# Altium PCB pcb-sam-carrier.PcbDoc (part 1 of 3) (continued)
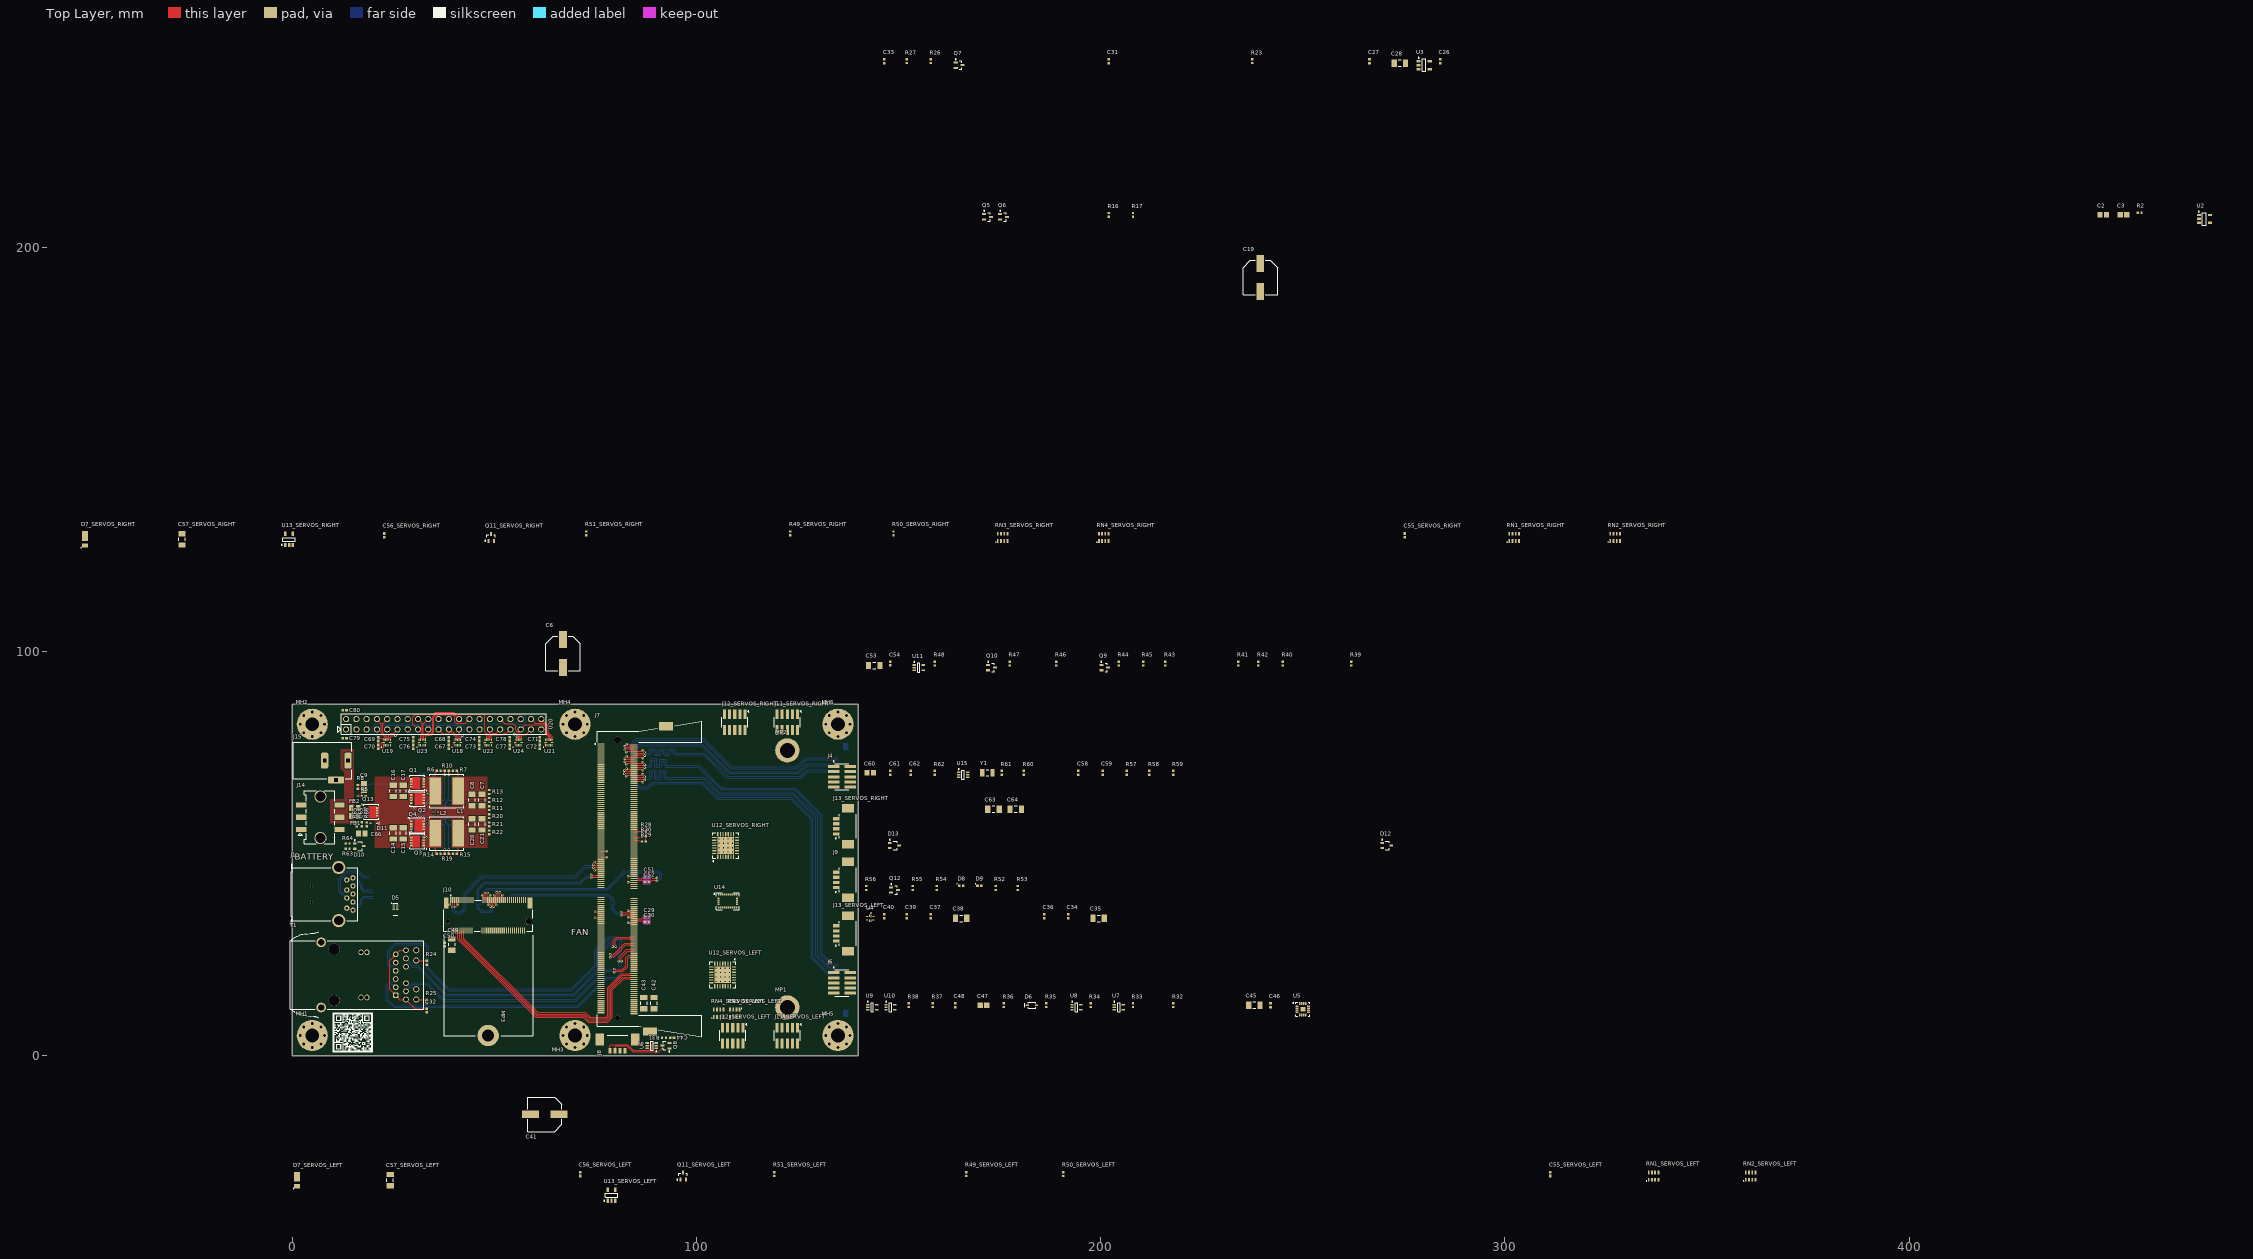
[diagram p0: Top Layer view]
## Classes and differential pairs
net class CSI0: CSI0_CLK_N CSI0_CLK_P CSI0_D0_N CSI0_D0_P CSI0_D1_N CSI0_D1_P
net class UART1: UART1.CTS UART1.RTS UART1.RXD UART1.TXD
net class UART1_3V3: UART1_3V3.CTS UART1_3V3.RTS UART1_3V3.RXD UART1_3V3.TXD
net class SPI1: SPI1.MISO SPI1.MOSI SPI1.SCK
net class SPI0: SPI0.MISO SPI0.MOSI SPI0.SCK
net class I2S0: I2S0.DIN I2S0.DOUT I2S0.FS I2S0.SCLK
net class I2C1: I2C1.SCL I2C1.SDA
component class HEADER: C67 C68 C69 C70 C71 C72 C73 C74 C75 C76 C77 C78 C79 C80 D12 D13 U18 U19 U20 U21 U22 U23 U24
net class ID_I2C: ID_I2C.SCL ID_I2C.SDA
component class IMU: C58 C59 C60 C61 C62 R57 R58 R59 R60 R61 R62 U14 U15 Y1
component class DCIN: C63 C64 C65 C66 D10 D11 FB1 FB2 J14 J15 Q13 R63 R64 R65 R66
component class CARRIER: D8 D9 Q12 R52 R53 R54 R55 R56
channel class servos: SERVOS_LEFT SERVOS_RIGHT
net class USB: USB0_N USB0_P USB1.D_N USB1.D_P USB2_N USB2_P
net class USBSS: SS_RX_N SS_RX_P SS_TX_N SS_TX_P
net class USB1: USB1.D_N USB1.D_P
net class PCIE: PCIE_CLK_N PCIE_CLK_P PCIE_RX_N PCIE_RX_P PCIE_TX0C_N PCIE_TX0C_P PCIE_TX_N PCIE_TX_P
net class GBE: GBE_MDI0_N GBE_MDI0_P GBE_MDI1_N GBE_MDI1_P GBE_MDI2_N GBE_MDI2_P GBE_MDI3_N GBE_MDI3_P
net class CSI2: CSI2_CLK_N CSI2_CLK_P CSI2_D0_N CSI2_D0_P CSI2_D1_N CSI2_D1_P
net class 50OHM: CAM0_MCLK CAM0_PWDN CAM1_MCLK CAM1_PWDN CAM_SCL CAM_SDA FAN_PWM I2C1.SCL I2C1.SDA I2C2_SCL I2C2_SDA I2S0.DIN I2S0.DOUT I2S0.FS I2S0.SCLK I2S1_DIN I2S1_DOUT I2S1_FS I2S1_SCLK ID_I2C.SCL ID_I2C.SDA NetJ7_210 SPI0.MISO SPI0.MOSI SPI0.SCK SPI0_CS0 SPI0_CS1 SPI1.MISO SPI1.MOSI SPI1.SCK SPI1_CS0 SPI1_CS1 UART0_CTS UART0_RTS UART0_RXD UART0_TXD UART1.CTS UART1.RTS UART1.RXD UART1.TXD UART2_RXD UART2_TXD
component class SERVOS_RIGHT: C55_SERVOS_RIGHT C56_SERVOS_RIGHT C57_SERVOS_RIGHT D7_SERVOS_RIGHT J11_SERVOS_RIGHT J12_SERVOS_RIGHT J13_SERVOS_RIGHT Q11_SERVOS_RIGHT R49_SERVOS_RIGHT R50_SERVOS_RIGHT R51_SERVOS_RIGHT RN1_SERVOS_RIGHT RN2_SERVOS_RIGHT RN3_SERVOS_RIGHT RN4_SERVOS_RIGHT U12_SERVOS_RIGHT U13_SERVOS_RIGHT
component class SERVOS_LEFT: C55_SERVOS_LEFT C56_SERVOS_LEFT C57_SERVOS_LEFT D7_SERVOS_LEFT J11_SERVOS_LEFT J12_SERVOS_LEFT J13_SERVOS_LEFT Q11_SERVOS_LEFT R49_SERVOS_LEFT R50_SERVOS_LEFT R51_SERVOS_LEFT RN1_SERVOS_LEFT RN2_SERVOS_LEFT RN3_SERVOS_LEFT RN4_SERVOS_LEFT U12_SERVOS_LEFT U13_SERVOS_LEFT
component class REAR_IO: C26 C27 C28 C29 C30 C31 C32 C33 D3 D4 D5 J1 J2 Q7 R23 R24 R25 R26 R27 T1 U3
component class POWER: C1 C2 C3 C4 C5 C6 C7 C8 C9 C10 C11 C12 C13 C14 C15 C16 C17 C18 C19 C20 C21 C22 C23 C24 C25 D1 D2 L1 L2 Q1 Q2 Q3 Q4 Q5 Q6 R1 R2 R3 R4 R5 R6 R7 R8 R9 R10 R11 R12 R13 R14 R15 R16 R17 R18 R19 R20 R21 R22 U1 U2
component class NX: C41 C42 C43 J7 MP1 MP2 R28 R29 R30
component class MECHANICAL: MH1 MH2 MH3 MH4 MH5 MH6
component class M2_KEY_E: C49 C50 C51 C52 C53 C54 J10 MP3 Q9 Q10 R39 R40 R41 R42 R43 R44 R45 R46 R47 R48 U11
component class CAMERAS: C34 C35 C36 C37 C38 C39 C40 J3 J4 J5 J6 U4
component class AUX_IO: C44 C45 C46 C47 C48 D6 J8 J9 Q8 R31 R32 R33 R34 R35 R36 R37 R38 U5 U6 U7 U8 U9 U10
differential pair USB2: +USB2_P -USB2_N
differential pair USB1.D: +USB1.D_P -USB1.D_N
differential pair USB0: +USB0_P -USB0_N
differential pair SS_TX: +SS_TX_P -SS_TX_N
differential pair SS_RX: +SS_RX_P -SS_RX_N
differential pair PCIE_TX: +PCIE_TX_P -PCIE_TX_N
differential pair PCIE_TX0C: +PCIE_TX0C_P -PCIE_TX0C_N
differential pair PCIE_RX: +PCIE_RX_P -PCIE_RX_N
differential pair PCIE_CLK: +PCIE_CLK_P -PCIE_CLK_N
differential pair HOST_TXC: +HOST_TXC_P -HOST_TXC_N
differential pair GBE_MDI3: +GBE_MDI3_P -GBE_MDI3_N
differential pair GBE_MDI2: +GBE_MDI2_P -GBE_MDI2_N
differential pair GBE_MDI1: +GBE_MDI1_P -GBE_MDI1_N
differential pair GBE_MDI0: +GBE_MDI0_P -GBE_MDI0_N
differential pair CSI2_D1: +CSI2_D1_P -CSI2_D1_N
differential pair CSI2_D0: +CSI2_D0_P -CSI2_D0_N
differential pair CSI2_CLK: +CSI2_CLK_P -CSI2_CLK_N
differential pair CSI0_D1: +CSI0_D1_P -CSI0_D1_N
differential pair CSI0_D0: +CSI0_D0_P -CSI0_D0_N
differential pair CSI0_CLK: +CSI0_CLK_P -CSI0_CLK_N

## Components (designator, comment, footprint, x,y, rotation, side; value= is the part's Value field where it differs from the comment)
C1 "cap" CAPC2012X11N 26.5,50.2 r90 bottom value=1u
C2 "cap" CAPC2012X11N 447.999,207.999 r0 top value=1u
C3 "cap" CAPC2012X11N 452.999,207.999 r0 top value=1u
C4 "cap" CAPC2012X11N 23.75,48.2 r90 bottom value=4u7
C5 "cap" CAPC1005X06N 33.75,64 r180 bottom value=100n
C6 "100uF, 20V" WCAP-PSHP_D8H8.7 67,99.5 r90 top
C7 "cap" CAPC3216X14N 47,63.25 r90 top value=22u
C8 "cap" CAPC3216X14N 44.5,63.25 r90 top value=22u
C9 "cap" CAPC2012X11N 17.75,66.5 r270 top value=1u
C10 "cap" CAPC1005X06N 38.25,64.25 r0 bottom value=100n
C11 "cap" CAPC1005X06N 40.25,63.25 r180 bottom value=100n
C12 "cap" CAPC1005X06N 40.25,61.25 r180 bottom value=47p
C13 "cap" CAPC1005X06N 40.25,62.25 r0 bottom value=5n6
C14 "cap" CAPC3216X14N 25,55 r270 top value=22u
C15 "cap" CAPC3216X14N 27.5,55 r270 top value=22u
C16 "cap" CAPC3216X14N 25,65.5 r90 top value=22u
C17 "cap" CAPC3216X14N 27.5,65.5 r90 top value=22u
C18 "cap" CAPC1005X06N 33.75,56.5 r180 bottom value=100n
C19 "100uF, 20V" WCAP-PSHP_D8H8.7 239.5,192.5 r90 top
C20 "cap" CAPC3216X14N 44.5,57.25 r270 top value=22u
C21 "cap" CAPC3216X14N 47,57.25 r270 top value=22u
C22 "cap" CAPC1005X06N 38.25,56.25 r0 bottom value=100n
C23 "cap" CAPC1005X06N 40.25,59.25 r180 bottom value=100p
C24 "cap" CAPC1005X06N 40.25,57.25 r180 bottom value=100n
C25 "cap" CAPC1005X06N 40.25,58.25 r0 bottom value=1n
C26 "cap" CAPC1005X06N 283.999,245.999 r90 top value=100n
C27 "cap" CAPC1005X06N 266.499,245.999 r90 top value=100n
C28 "cap" CAPC3216X14N 273.999,245.499 r0 top value=10u
C29 "cap" CAPC1005X06N 87.75,34.25 r180 top value=100n
C30 "cap" CAPC1005X06N 87.75,33 r180 top value=100n
C31 "cap" CAPC1005X06N 201.999,245.999 r90 top value=100n
C32 "cap" CAPC1005X06N 33.3,11.2 r90 top value=10n
C33 "cap" CAPC1005X06N 146.5,245.999 r90 top value=100n
C34 "cap" CAPC1005X06N 191.999,34.5 r90 top value=100n
C35 "cap" CAPC3216X14N 199.499,34 r0 top value=22u
C36 "cap" CAPC1005X06N 185.999,34.5 r90 top value=100n
C37 "cap" CAPC1005X06N 158,34.5 r90 top value=100n
C38 "cap" CAPC3216X14N 165.5,34 r0 top value=22u
C39 "cap" CAPC1005X06N 152,34.5 r90 top value=100n
C40 "cap" CAPC1005X06N 146.5,34.5 r90 top value=100n
C41 "560uF, 6.3V" WCAP-PSHP_D8H8.7 62.5,-14.5 r0 top
C42 "cap" CAPC3216X14N 89.5,13 r270 top value=100u
C43 "cap" CAPC3216X14N 87,13 r270 top value=100u
C44 "cap" CAPC1005X06N 94,4.5 r0 top value=100n
C45 "cap" CAPC3216X14N 237.999,12.5 r0 top value=10u
C46 "cap" CAPC1005X06N 241.999,12.5 r90 top value=100n
C47 "cap" CAPC2012X11N 171,12.5 r0 top value=1u
C48 "cap" CAPC1005X06N 164,12.5 r90 top value=100n
C49 "cap" CAPC3216X14N 39.5,27.5 r90 top value=22u
C50 "cap" CAPC1005X06N 37.75,27.5 r90 top value=100n
C51 "cap" CAPC1005X06N 87.75,44.25 r0 top value=100n
C52 "cap" CAPC1005X06N 87.75,43 r0 top value=100n
C53 "cap" CAPC3216X14N 144,96.5 r0 top value=10u
C54 "cap" CAPC1005X06N 148,97 r90 top value=100n
C55_SERVOS_LEFT "cap" CAPC1005X06N 311.25,-29.275 r90 top value=100n (schematic designator C55)
C55_SERVOS_RIGHT "cap" CAPC1005X06N 275.25,128.725 r90 top value=100n (schematic designator C55)
C56_SERVOS_LEFT "cap" CAPC1005X06N 71.25,-29.275 r90 top value=100n (schematic designator C56)
C56_SERVOS_RIGHT "cap" CAPC1005X06N 22.75,128.725 r90 top value=100n (schematic designator C56)
C57_SERVOS_LEFT "cap" CAPC3216X14N 24.25,-30.775 r90 top value=22u (schematic designator C57)
C57_SERVOS_RIGHT "cap" CAPC3216X14N -27.25,127.725 r90 top value=22u (schematic designator C57)
C58 "cap" CAPC1005X06N 194.499,70 r90 top value=100n
C59 "cap" CAPC1005X06N 200.499,70 r90 top value=100n
C60 "cap" CAPC2012X11N 143,70 r0 top value=1u
C61 "cap" CAPC1005X06N 148,70 r90 top value=22p
C62 "cap" CAPC1005X06N 153,70 r90 top value=22p
C63 "cap" CAPC3216X14N 173.5,61 r0 top value=22u
C64 "cap" CAPC3216X14N 179,61 r0 top value=22u
C65 "cap" CAPC1005X06N 17.25,57.25 r90 top value=100n
C66 "cap" CAPC2012X11N 17.25,55 r180 top value=4u7
C67 "cap" CAPC1005X06N 38.7,76.4 r270 top value=100n
C68 "cap" CAPC1005X06N 38.7,78.3 r90 top value=100n
C69 "cap" CAPC1005X06N 21.3,78.3 r90 top value=100n
C70 "cap" CAPC1005X06N 21.3,76.4 r270 top value=100n
C71 "cap" CAPC1005X06N 61.3,78.3 r90 top value=100n
C72 "cap" CAPC1005X06N 61.3,76.4 r270 top value=100n
C73 "cap" CAPC1005X06N 46.3,76.4 r270 top value=100n
C74 "cap" CAPC1005X06N 46.3,78.3 r90 top value=100n
C75 "cap" CAPC1005X06N 30,78.3 r90 top value=100n
C76 "cap" CAPC1005X06N 30,76.4 r270 top value=100n
C77 "cap" CAPC1005X06N 53.8,76.4 r270 top value=100n
C78 "cap" CAPC1005X06N 53.8,78.3 r90 top value=100n
C79 "cap" CAPC1005X06N 13,78.5 r180 top value=100n
C80 "cap" CAPC1005X06N 13,85.5 r0 top value=100n
D1 "BAS140W" SODFL250X110-2N_SOD323 33,65.5 r0 bottom
D2 "BAS140W" SODFL250X110-2N_SOD323 33,55 r0 bottom
D3 "TPD4E02B04DQAR" SON50P100X55-10N_TPD4E02B04 19.5,43.5 r0 bottom
D4 "TPD4E02B04DQAR" SON50P100X55-10N_TPD4E02B04 19.5,40 r0 bottom
D5 "TPD4E02B04DQAR" SON50P100X55-10N_TPD4E02B04 25.582,36.25 r0 top
D6 "BAS140W" SODFL250X110-2N_SOD323 182.999,12.5 r0 top
D7_SERVOS_LEFT "DFLS2100" SODFL370X100-2N_DFLS2100 1.25,-30.775 r90 top (schematic designator D7)
D7_SERVOS_RIGHT "DFLS2100" SODFL370X100-2N_DFLS2100 -51.25,127.725 r90 top (schematic designator D7)
D8 "led" CAPCP1005X06N 165.5,42 r0 top value=GREEN
D9 "led" CAPCP1005X06N 170,42 r0 top value=GREEN
D10 "ESDA25W" SOT65P210X110-3N_SOT323-3L 16.625,51.85 r0 top
D11 "10V" SODFL160X65-2N_SOD523 20.25,57.5 r180 top
D12 "ESDA25W" SOT65P210X110-3N_SOT323-3L 270.749,52 r0 top
D13 "ESDA25W" SOT65P210X110-3N_SOT323-3L 149,52 r0 top
FB1 "ferrite" INDC2012X11N 15.5,59.25 r0 top value=100R
FB2 "ferrite" INDC2012X11N 15.499,61.25 r0 top value=100R
J1 "USB 3.0 Type A Receptacle" 692121030100 8,40 r270 top locked
J2 "Micro USB 2.0 Type B Receptacle" 629105136821 2.325,40 r90 bottom
J3 "54548-2271" MOLX-54548-2271 136,18 r270 bottom
J4 "FTSH-105-01-F-DV-P-TR" SAMTEC_FTSH-105-01-F-DV-P-TR 136,69 r270 top
J5 "54548-2271" MOLX-54548-2271 136,69 r270 bottom
J6 "FTSH-105-01-F-DV-P-TR" SAMTEC_FTSH-105-01-F-DV-P-TR 136,18 r270 top
J7 "2309413-1" TE_2309413-1 80.5,40.25 r90 top locked
J8 "533980471" 533980471 80.5,4 r0 top
J9 "532610471" 532610471 137.5,43.5 r90 top locked
J10 "2199230-4" TE_2199230-4 48.5,34.625 r0 top
J11_SERVOS_LEFT "2x5" hdr_2x5_50mil 122.5,5 r180 top (schematic designator J11)
J11_SERVOS_RIGHT "2x5" hdr_2x5_50mil 122.5,82.5 r180 top (schematic designator J11)
J12_SERVOS_LEFT "2x5" hdr_2x5_50mil 109,5 r180 top (schematic designator J12)
J12_SERVOS_RIGHT "2x5" hdr_2x5_50mil 109.5,82.5 r180 top (schematic designator J12)
J13_SERVOS_LEFT "532610471" 532610471 137.5,30.25 r90 top (schematic designator J13)
J13_SERVOS_RIGHT "532610471" 532610471 137.5,56.75 r90 top (schematic designator J13)
J14 "430450617" 430450617 7,59 r270 top locked
J15 "694108301002" 694108301002 7.5,73 r270 top locked
L1 "SRN8040TA-4R7" INDP8080X45N_SRN8040TA 38.25,65.5 r0 top value=4u7
L2 "SRN8040TA-4R7" INDP8080X45N_SRN8040TA 38.25,55 r0 top value=4u7
MH1 "M3" mount_m3_normal 5,5 r0 top locked
MH2 "M3" mount_m3_normal 5,82 r0 top locked
MH3 "M3" mount_m3_normal 70,5 r0 top locked
MH4 "M3" mount_m3_normal 70,82 r0 top locked
MH5 "M3" mount_m3_normal 135,5 r0 top locked
MH6 "M3" mount_m3_normal 135,82 r0 top locked
MP1 "M2.5x6.5mm" 9774065151 122.5,11.95 r0 top locked
MP2 "M2.5x6.5mm" 9774065151 122.5,75.55 r0 top locked
MP3 "M2x2.5mm" 9774025243 48.5,5 r180 top
Q1 "RQ3E100BN" SON65P330X90-8N_RQ3E120AT 31,67.5 r180 top
Q2 "RQ3E100BN" SON65P330X90-8N_RQ3E120AT 31,63.5 r0 top
Q3 "RQ3E100BN" SON65P330X90-8N_RQ3E120AT 31,53 r180 top
Q4 "RQ3E100BN" SON65P330X90-8N_RQ3E120AT 31,57 r0 top
Q5 "RU1J002YN" SOTFL65P210X105-3N 172,207.499 r0 top
Q6 "RU1J002YN" SOTFL65P210X105-3N 176,207.499 r0 top
Q7 "RU1J002YN" SOTFL65P210X105-3N 165,244.999 r0 top
Q8 "RU1J002YN" SOTFL65P210X105-3N 92.5,2.5 r180 top
Q9 "RU1J002YN" SOTFL65P210X105-3N 200.999,96 r0 top
Q10 "RU1J002YN" SOTFL65P210X105-3N 173,96 r0 top
Q11_SERVOS_LEFT "RU1J002YN" SOTFL65P210X105-3N 96.75,-29.775 r90 top (schematic designator Q11)
Q11_SERVOS_RIGHT "RU1J002YN" SOTFL65P210X105-3N 49.25,128.225 r90 top (schematic designator Q11)
Q12 "RU1J002YN" SOTFL65P210X105-3N 149,41 r0 top
Q13 "RQ3E120AT" SON65P330X90-8N_RQ3E120AT 19.55,60.325 r0 top
R1 "res" RESC1005X04N 26,60.75 r0 bottom value=2R2
R2 "res" RESC1005X04N 456.999,208.499 r0 top value=10K
R3 "res" RESC1005X04N 35.25,65.5 r90 bottom value=0R
R4 "res" RESC1005X04N 36.25,65.5 r90 bottom value=100K
R5 "res" RESC1005X04N 17.75,64.25 r180 top value=680K
R6 "res" RESC1005X04N 36.25,70.5 r180 top value=12K
R7 "res" RESC1005X04N 40.25,70.5 r0 top value=0R
R8 "res" RESC1005X04N 16.25,66.5 r270 top value=100K
R9 "res" RESC1005X04N 38.75,61.75 r270 bottom value=4k99
R10 "res" RESC1005X04N 38.25,70.5 r180 top value=2K4
R11 "res" RESC1005X04N 48.75,61.25 r270 top value=10K
R12 "res" RESC1005X04N 48.75,63.25 r90 top value=68K
R13 "res" RESC1005X04N 48.75,65.25 r90 top value=5K6
R14 "res" RESC1005X04N 36.25,50 r180 top value=8K2
R15 "res" RESC1005X04N 40.25,50 r0 top value=0R
R16 "res" RESC1005X04N 201.999,207.999 r90 top value=100K
R17 "res" RESC1005X04N 207.999,207.999 r90 top value=5R6
R18 "res" RESC1005X04N 38.75,58.75 r90 bottom value=20k
R19 "res" RESC1005X04N 38.25,50 r180 top value=2K7
R20 "res" RESC1005X04N 48.75,59.25 r90 top value=10K
R21 "res" RESC1005X04N 48.75,57.25 r270 top value=43K
R22 "res" RESC1005X04N 48.75,55.25 r270 top value=2K
R23 "res" RESC1005X04N 237.499,245.999 r90 top value=100R
R24 "res" RESC1005X04N 33.3,23 r90 top value=10K
R25 "res" RESC1005X04N 33.3,13.4 r90 top value=10K
R26 "res" RESC1005X04N 158,245.999 r90 top value=0R
R27 "res" RESC1005X04N 152,245.999 r90 top value=1M
R28 "res" RESC1005X04N 87,55.5 r0 top value=10K
R29 "res" RESC1005X04N 87,53 r0 top value=10K
R30 "res" RESC1005X04N 87,54.25 r0 top value=10K
R31 "res" RESC1005X04N 92,4.5 r0 top value=10K
R32 "res" RESC1005X04N 217.999,12.5 r90 top value=300K
R33 "res" RESC1005X04N 207.999,12.5 r90 top value=10K
R34 "res" RESC1005X04N 197.499,12.5 r90 top value=10K
R35 "res" RESC1005X04N 186.499,12.5 r90 top value=470K
R36 "res" RESC1005X04N 176,12.5 r90 top value=470K
R37 "res" RESC1005X04N 158.5,12.5 r90 top value=10K
R38 "res" RESC1005X04N 152.5,12.5 r90 top value=10K
R39 "res" RESC1005X04N 261.999,97 r90 top value=0R
R40 "res" RESC1005X04N 244.999,97 r90 top value=0R
R41 "res" RESC1005X04N 233.999,97 r90 top value=10K
R42 "res" RESC1005X04N 238.999,97 r90 top value=47K
R43 "res" RESC1005X04N 215.999,97 r90 top value=10K
R44 "res" RESC1005X04N 204.499,97 r90 top value=47K
R45 "res" RESC1005X04N 210.499,97 r90 top value=47K
R46 "res" RESC1005X04N 188.999,97 r90 top value=47K
R47 "res" RESC1005X04N 177.5,97 r90 top value=10K
R48 "res" RESC1005X04N 159,97 r90 top value=10K
R49_SERVOS_LEFT "res" RESC1005X04N 166.75,-29.275 r90 top value=10K (schematic designator R49)
R49_SERVOS_RIGHT "res" RESC1005X04N 123.25,129.225 r90 top value=10K (schematic designator R49)
R50_SERVOS_LEFT "res" RESC1005X04N 190.75,-29.275 r90 top value=10K (schematic designator R50)
R50_SERVOS_RIGHT "res" RESC1005X04N 148.75,129.225 r90 top value=10K (schematic designator R50)
R51_SERVOS_LEFT "res" RESC1005X04N 119.25,-29.275 r90 top value=0R (schematic designator R51)
R51_SERVOS_RIGHT "res" RESC1005X04N 72.75,129.225 r90 top value=0R (schematic designator R51)
R52 "res" RESC1005X04N 174,41.5 r90 top value=10K
R53 "res" RESC1005X04N 179.5,41.5 r90 top value=10K
R54 "res" RESC1005X04N 159.5,41.5 r90 top value=10K
R55 "res" RESC1005X04N 153.5,41.5 r90 top value=0R
R56 "res" RESC1005X04N 142,41.5 r90 top value=0R
R57 "res" RESC1005X04N 206.499,70 r90 top value=10K
R58 "res" RESC1005X04N 211.999,70 r90 top value=10K
R59 "res" RESC1005X04N 217.999,70 r90 top value=10K
R60 "res" RESC1005X04N 180.999,70 r90 top value=0R
R61 "res" RESC1005X04N 175.5,70 r90 top value=0R
R62 "res" RESC1005X04N 159,70 r90 top value=0R
R63 "res" RESC1005X04N 13.75,51.25 r180 top value=10K
R64 "res" RESC1005X04N 13.75,52.5 r0 top value=10K
R65 "res" RESC1005X04N 16,57.25 r90 top value=10K
R66 "res" RESC1005X04N 18.5,57.25 r90 top value=100K
RN1_SERVOS_LEFT "res_array4" CAC-80P320X160-8N 336.75,-29.775 r90 top value=220R (schematic designator RN1)
RN1_SERVOS_RIGHT "res_array4" CAC-80P320X160-8N 302.25,128.225 r90 top value=220R (schematic designator RN1)
RN2_SERVOS_LEFT "res_array4" CAC-80P320X160-8N 360.75,-29.775 r90 top value=220R (schematic designator RN2)
RN2_SERVOS_RIGHT "res_array4" CAC-80P320X160-8N 327.249,128.225 r90 top value=220R (schematic designator RN2)
RN3_SERVOS_LEFT "res_array4" CAC-80P320X160-8N 109.5,10.5 r270 top value=220R (schematic designator RN3)
RN3_SERVOS_RIGHT "res_array4" CAC-80P320X160-8N 175.75,128.225 r90 top value=220R (schematic designator RN3)
RN4_SERVOS_LEFT "res_array4" CAC-80P320X160-8N 105.5,10.5 r90 top value=220R (schematic designator RN4)
RN4_SERVOS_RIGHT "res_array4" CAC-80P320X160-8N 200.75,128.225 r90 top value=220R (schematic designator RN4)
T1 "7499511440" 7499511440 16,20 r270 top locked
U1 "LTC3869" QFN50P400X500X80_HS-29N_LTC3869UFD 35.5,60.25 r180 bottom
U2 "TLV74018PDBVR" SOT95P280X145-5N-TLV740P 472.999,206.999 r0 top
U3 "AP22811A" SOT95P285X140-5N_AP22811 279.999,244.999 r0 top
U4 "TS3USB30ERSWR" RSW0010A_V 143,34 r0 top
U5 "MAX98357AETE" QFN50P300X300X80_HS-17N_MAX98357xxTE 249.999,11.5 r0 top
U6 "SN74LVC1T45" SOT65P210X110-6N_SN74LVC1T45 89,2.5 r180 top
U7 "74lvc1g126gw" SOT65P212X110-5N_74LVC1G07gw 204.499,12 r0 top
U8 "NC7SZ38P5X" SOT65P210X110-5N_NC7SZ38P5X 193.999,12 r0 top
U9 "74LVC1G07GW" SOT65P212X110-5N_74LVC1G07gw 143.5,12 r0 top
U10 "NC7SZ38P5X" SOT65P210X110-5N_NC7SZ38P5X 148,12 r0 top
U11 "74LVC1G07GW" SOT65P212X110-5N_74LVC1G07gw 155,96 r0 top
U12_SERVOS_LEFT "pca9685bs" QFN65P600X600X100_HS-29N_PCA9685BS 106.5,20 r270 top (schematic designator U12)
U12_SERVOS_RIGHT "pca9685bs" QFN65P600X600X100_HS-29N_PCA9685BS 107.25,52 r90 top (schematic designator U12)
U13_SERVOS_LEFT "AP22811A" SOT95P285X140-5N_AP22811 79,-34.5 r90 top (schematic designator U13)
U13_SERVOS_RIGHT "AP22811A" SOT95P285X140-5N_AP22811 -0.75,127.725 r90 top (schematic designator U13)
U14 "BNO055" PQFN50P520X380X118-28N_BNO055 107.75,38.25 r0 top
U15 "SN74LVC1T45" SOT65P210X110-6N_SN74LVC1T45 166,69.5 r0 top
U18 "TXB0104RUTR" QFN40P170X200X55-12N_TXB0104RUTR 40.9,77.5 r90 top
U19 "TXB0104RUTR" QFN40P170X200X55-12N_TXB0104RUTR 23.5,77.5 r90 top
U20 "Raspberry PI header" raspi_male_con 37.5,82 r0 top locked
U21 "TXB0104RUTR" QFN40P170X200X55-12N_TXB0104RUTR 63.5,77.5 r90 top
U22 "TXB0104RUTR" QFN40P170X200X55-12N_TXB0104RUTR 48.5,77.5 r90 top
U23 "TXB0104RUTR" QFN40P170X200X55-12N_TXB0104RUTR 32.2,77.5 r90 top
U24 "TXB0104RUTR" QFN40P170X200X55-12N_TXB0104RUTR 56,77.5 r90 top
Y1 "ABS07-32.768KHz-T" FP-ABS07-MFG 172,70 r0 top

## Footprints (in the part's own frame and the unit in brackets; to place one, negate y for a bottom-side part, rotate by r counter-clockwise, add the part's x,y. Pads: shape width x height; smd on the part's side, far side on the other; paste and mask are expansions set on the pad)
430450617 [mm]
  rect 1.27x2.54 smd: 1(3,-4.7) 2(0,-4.7) 3(-3,-4.7) 4(3,4.7) 5(0,4.7) 6(-3,4.7)
  round 3 hole 2.41: TAB(-5.15,0) TAB(5.15,0)
  silkscreen extent -6.57,-5.5 6.58,3.5, body extent -6.57,-5.61 6.58,5.59, height 9.95
532610471 [mm]
  rect 0.8x1.6 smd: 1(-1.875,2.9) 2(-0.625,2.9) 3(0.625,2.9) 4(1.875,2.9)
  rect 2.1x3 smd: SHD(-4.425,0) SHD(4.425,0)
  silkscreen extent -3.13,-2.1 3,3.13, body extent -5.07,-2.08 5.08,3.12, height 3.4
533980471 [mm]
  rect 0.8x1.3 smd: 1(1.875,-2.75) 2(0.625,-2.75) 3(-0.625,-2.75) 4(-1.875,-2.75)
  rect 2.1x3 smd: SHD(-4.425,0) SHD(4.425,0)
  silkscreen extent -2.5,1.1 2.5,1.1, body extent -5.07,-3.1 5.08,1.1, height 4.69
7499511440 [mm] "LAN Transformer, body 33.02x17mm"
  rrect50% 1.4x1.4 hole 0.89: 1(5.075,9.63)
  round 1.4 hole 0.89: 2(3.045,9.63) 3(1.015,9.63) 4(-1.015,9.63) 5(-3.045,9.63) 6(-5.075,9.63) 7(6.09,12.17) 8(4.06,12.17) 9(2.03,12.17) 10(-2.03,12.17) 11(-4.06,12.17) 12(-6.09,12.17)
  oval 1.4x1.25 hole 0.89: 13(5.59,2.51) 14(-5.59,2.51) 15(5.59,1.05) 16(-5.59,1.05)
  round 1.52 hole 1.02: 17(6.095,14.71) 18(3.555,14.71) 19(-3.555,14.71) 20(-6.095,14.71)
  round 2.8 hole 2.8 unplated: MH1(-6.35,-5.61) MH2(6.35,-5.61)
  round 2.4 hole 1.57: Shell(-8.065,-8.79) Shell(8.065,-8.79)
  silkscreen extent -10.72,-16.51 10.72,16.51, body extent -10.8,-16.51 10.8,16.51, height 16.21
9774025243 [mm] "SMT Steel Spacer with internal Thread M2, height 2.5mm"
  round 5.3 / inner round 0 / far side round 0 hole 3 unplated: 1(0,0)
  body extent -2.17,-2.17 2.18,2.17, height 2.5
9774065151 [mm] "SMT Steel Spacer with internal Thread M2.5, height 6.5mm"
  round 6 / inner round 0 / far side round 0 hole 3.7 unplated: 1(0,0)
  body extent -2.55,-2.55 2.55,2.55, height 6.5
629105136821 [mm] "Micro USB 2.0 SMT Type B Horizontal 5 Contacts"
  rect 0.4x1.35 smd: 1(-1.3,2.675) 2(-0.65,2.675) 3(0,2.675) 4(0.65,2.675) 5(1.3,2.675)
  round 0.7 hole 0.7 unplated: MH1(-2.075,2.45) MH2(2.075,2.45)
  rect 1.8x1.9 smd: Shell(-4,0) Shell(4,0)
  rect 1.9x1.9 smd: Shell(-1.2,0) Shell(1.2,0)
  silkscreen extent -4,-2.75 4,2.85, body extent -4,-2.73 4,3.17, height 2.69
692121030100 [mm] "USB 3.0 Type A Horizontal"
  round 1.3 hole 0.7: 1(-3.5,5.54) 2(-1,5.54) 3(1,5.54) 4(3.5,5.54) 5(4,7.04) 6(2,7.04) 7(0,7.04) 8(-2,7.04) 9(-4,7.04)
  round 3.3 hole 2.3: Shell(-6.57,3.54) Shell(6.57,3.54)
  silkscreen extent -7.55,-8.24 7.55,8.24, body extent -7.74,-8.24 7.74,8.31, height 8.07
694108301002 [mm] "DC Power Jack Right Angled(6.4)"
  rrect50% 4x1.8 hole 0.8 square: 1(0,6.35) 2(0,0.55)
  rrect50% 1.8x4 hole 0.8 square: 3(4.8,3.35)
  silkscreen extent -4.5,-7.25 4.5,7.25, body extent -4.5,-7.25 5,7.25, height 10.75
CAC-80P320X160-8N [mm] "Chip Array, Concave, 8-Leads, Pitch 0.80mm,  Body 3.20x1.60mm,  IPC Medium Density"
  rect 0.95x0.45 smd: 1(-0.9,1.2) 2(-0.9,0.4) 3(-0.9,-0.4) 4(-0.9,-1.2) 5(0.9,-1.2) 6(0.9,-0.4) 7(0.9,0.4) 8(0.9,1.2)
  silkscreen extent -1.25,1.65 -1.15,1.75, body extent -0.95,-1.7 0.95,1.7, height 0.6
CAPC1005X06N [mm] "Chip Capacitor, 2-Leads, Body 1.00x0.50mm, IPC Medium Density"
  rect 0.64x0.64 smd: 1(-0.46,0) 2(0.46,0)
  body extent -0.55,-0.3 0.55,0.3, height 0.6
CAPC2012X11N [mm] "Chip Capacitor, 2-Leads, Body 2.00x1.25mm, IPC Medium Density"
  rect 1.3x1.45 smd: 1(-0.8,0) 2(0.8,0)
  body extent -1.1,-0.72 1.1,0.72, height 1.1
CAPC3216X14N [mm] "Chip Capacitor, 2-Leads, Body 3.20x1.60mm, IPC Medium Density"
  rect 1.3x1.8 smd: 1(-1.4,0) 2(1.4,0)
  silkscreen extent -0.35,-0.8 0.35,0.8, body extent -1.7,-0.9 1.7,0.9, height 1.35
CAPCP1005X06N [mm] "Chip Capacitor, 2-Leads, Body 1.00x0.50mm, IPC Medium Density"
  rect 0.64x0.64 smd: 1(-0.46,0) 2(0.46,0)
  silkscreen extent -1.04,0.48 -0.94,0.58, body extent -0.5,-0.25 0.5,0.25, height 0.5
FP-ABS07-MFG [mm]
  rect 1.1x1.9 smd paste+0 mask+0: 1(-1.25,0) 2(1.25,0)
  silkscreen extent -0.33,-0.8 0.33,0.8, body extent -1.9,-1.05 1.9,1.05, height 0.25
hdr_2x5_50mil [mm] "2x5 Pin header, 50mil pitch"
  rect 0.76x2.4 smd: 1(-2.54,-1.95) 2(-2.54,1.95) 2(-2.54,1.95) 3(-1.27,-1.95) 4(-1.27,1.95) 5(0,-1.95) 6(0,1.95) 7(1.27,-1.95) 8(1.27,1.95) 9(2.54,-1.95) 10(2.54,1.95)
  silkscreen extent -3.5,-3 3.25,1.25, body extent -3.17,-2.75 3.18,2.75, height 4.5
INDC2012X11N [mm] "Chip Inductor, 2-Leads, Body 2.00x1.25mm, IPC Medium Density"
  rect 1.16x1.47 smd: 1(-0.875,0) 2(0.875,0)
  body extent -1.1,-0.72 1.1,0.72, height 1.1
INDP8080X45N_SRN8040TA [mm] "Precision Wire Wound Inductor, 2-Leads, Body 8.00x8.00mm, IPC Medium Density"
  rect 2.85x6.6 smd: 1(-2.825,0) 2(2.825,0)
  silkscreen extent -4.15,-4.15 4.15,4.15, body extent -4,-4 4,4, height 4.5
MOLX-54548-2271 [mm] "FPC Connector, 22-Leads, Right Angle, Pitch 0.5 mm, Mated Height 1.2 mm, SMT"
  rect 0.3x1 smd: 1(-5.25,0.95) 2(-4.75,0.95) 3(-4.25,0.95) 4(-3.75,0.95) 5(-3.25,0.95) 6(-2.75,0.95) 7(-2.25,0.95) 8(-1.75,0.95) 9(-1.25,0.95) 10(-0.75,0.95) 11(-0.25,0.95) 12(0.25,0.95) 13(0.75,0.95) 14(1.25,0.95) 15(1.75,0.95) 16(2.25,0.95) 17(2.75,0.95) 18(3.25,0.95) 19(3.75,0.95) 20(4.25,0.95) 21(4.75,0.95) 22(5.25,0.95)
  rect 1x1 smd: MP1(-7.525,-0.95) MP2(7.525,-0.95)
  Top Layer region: -8.35,-0.3 -6.7,-0.3 -6.7,-1.6 -8.35,-1.6
  Top Layer region: 8.35,-0.3 6.7,-0.3 6.7,-1.6 8.35,-1.6
  silkscreen extent -8.1,-3.85 8.1,2.13, body extent -8.1,-3.85 8.1,1.15, height 1.21
mount_m3_normal [mm]
  round 7.7 hole 3.4: 1(0,0)
PQFN50P520X380X118-28N_BNO055 [mm] "PQFN, 28-Leads, Body 5.20x3.80mm, Pitch 0.50mm, IPC Medium Density"
  rect 0.375x0.5 smd: 1(-2.25,1.6) 6(-2.25,-1.6) 7(-1.75,-1.6) 8(-1.25,-1.6) 9(-0.75,-1.6) 10(-0.25,-1.6) 11(0.25,-1.6) 12(0.75,-1.6) 13(1.25,-1.6) 14(1.75,-1.6) 15(2.25,-1.6) 20(2.25,1.6) 21(1.75,1.6) 22(1.25,1.6) 23(0.75,1.6) 24(0.25,1.6) 25(-0.25,1.6) 26(-0.75,1.6) 27(-1.25,1.6) 28(-1.75,1.6)
  rect 0.5x0.375 smd: 2(-2.3,0.75) 3(-2.3,0.25) 4(-2.3,-0.25) 5(-2.3,-0.75) 16(2.3,-0.75) 17(2.3,-0.25) 18(2.3,0.25) 19(2.3,0.75)
  silkscreen extent -3.42,-2.1 2.79,2.1, body extent -2.65,-1.95 2.65,1.95, height 1.18
QFN40P170X200X55-12N_TXB0104RUTR [mm] "QFN, 12-Leads, Body 1.70x2.00mm, Pitch 0.40mm, IPC Medium Density"
  rect 0.6x0.2 smd: 1(-0.65,0.8) 2(-0.65,0.4) 3(-0.65,0) 4(-0.65,-0.4) 5(-0.65,-0.8) 7(0.65,-0.8) 8(0.65,-0.4) 9(0.65,0) 10(0.65,0.4) 11(0.65,0.8)
  rect 0.2x0.6 smd: 6(0,-0.8) 12(0,0.8)
  Top Layer region: -0.35,0.7 -0.35,1.1 -0.5,1.1 -0.5,0.7
  silkscreen extent -1.25,1.3 -1.15,1.4, body extent -0.9,-1.05 0.9,1.05, height 0.55
QFN50P300X300X80_HS-17N_MAX98357xxTE [mm] "QFN, 16-Leads, Body 3.00x3.00mm, Pitch 0.50mm, Thermal Pad 1.23x1.23mm, IPC Medium Density"
  oval 0.8x0.3 smd: 1(-1.425,0.75) 2(-1.425,0.25) 3(-1.425,-0.25) 4(-1.425,-0.75) 9(1.425,-0.75) 10(1.425,-0.25) 11(1.425,0.25) 12(1.425,0.75)
  oval 0.3x0.8 smd: 5(-0.75,-1.425) 6(-0.25,-1.425) 7(0.25,-1.425) 8(0.75,-1.425) 13(0.75,1.425) 14(0.25,1.425) 15(-0.25,1.425) 16(-0.75,1.425)
  rect 1.23x1.23 smd: 17(0,0)
  silkscreen extent -2.47,-1.7 1.7,1.7, body extent -1.55,-1.55 1.55,1.55, height 0.8
QFN50P400X500X80_HS-29N_LTC3869UFD [mm] "QFN, 28-Leads, Body 4.00x5.00mm, Pitch 0.50mm, Thermal Pad 2.65x3.65mm, IPC Medium Density"
  oval 0.85x0.25 smd: 1(-1.925,1.75) 2(-1.925,1.25) 3(-1.925,0.75) 4(-1.925,0.25) 5(-1.925,-0.25) 6(-1.925,-0.75) 7(-1.925,-1.25) 8(-1.925,-1.75) 15(1.925,-1.75) 16(1.925,-1.25) 17(1.925,-0.75) 18(1.925,-0.25) 19(1.925,0.25) 20(1.925,0.75) 21(1.925,1.25) 22(1.925,1.75)
  oval 0.25x0.85 smd: 9(-1.25,-2.425) 10(-0.75,-2.425) 11(-0.25,-2.425) 12(0.25,-2.425) 13(0.75,-2.425) 14(1.25,-2.425) 23(1.25,2.425) 24(0.75,2.425) 25(0.25,2.425) 26(-0.25,2.425) 27(-0.75,2.425) 28(-1.25,2.425)
  rect 2.65x3.65 smd: 29(0,0)
  silkscreen extent -2.98,-2.7 2.2,2.7, body extent -2.05,-2.55 2.05,2.55, height 0.8
QFN65P600X600X100_HS-29N_PCA9685BS [mm] "QFN, 28-Leads, Body 6.00x6.00mm, Pitch 0.65mm, Thermal Pad 4.10x4.10mm, IPC Medium Density"
  oval 1.1x0.3 smd: 1(-2.8,1.95) 2(-2.8,1.3) 3(-2.8,0.65) 4(-2.8,0) 5(-2.8,-0.65) 6(-2.8,-1.3) 7(-2.8,-1.95) 15(2.8,-1.95) 16(2.8,-1.3) 17(2.8,-0.65) 18(2.8,0) 19(2.8,0.65) 20(2.8,1.3) 21(2.8,1.95)
  oval 0.3x1.1 smd: 8(-1.95,-2.8) 9(-1.3,-2.8) 10(-0.65,-2.8) 11(0,-2.8) 12(0.65,-2.8) 13(1.3,-2.8) 14(1.95,-2.8) 22(1.95,2.8) 23(1.3,2.8) 24(0.65,2.8) 25(0,2.8) 26(-0.65,2.8) 27(-1.3,2.8) 28(-1.95,2.8)
  rect 4.1x4.1 smd: 29(0,0)
  silkscreen extent -3.97,-3.2 3.2,3.2, body extent -3.05,-3.05 3.05,3.05, height 1
raspi_male_con [mil]
  round 60 hole 40: 1(-950,-50) 2(-950,50) 3(-850,-50) 4(-850,50) 5(-750,-50) 6(-750,50) 7(-650,-50) 8(-650,50) 9(-550,-50) 10(-550,50) 11(-450,-50) 12(-450,50) 13(-350,-50) 14(-350,50) 15(-250,-50) 16(-250,50) 17(-150,-50) 18(-150,50) 19(-50,-50) 20(-50,50) 21(50,-50) 22(50,50) 23(150,-50) 24(150,50) 25(250,-50) 26(250,50) 27(350,-50) 28(350,50) 29(450,-50) 30(450,50) 31(550,-50) 32(550,50) 33(650,-50) 34(650,50) 35(750,-50) 36(750,50) 37(850,-50) 38(850,50) 39(950,-50) 40(950,50)
  silkscreen extent -1033,-100 1000,100, body extent -1000,-100 1000,100, height 330
RESC1005X04N [mm] "Chip Resistor, 2-Leads, Body 1.05x0.54mm, IPC Medium Density"
  rect 0.55x0.6 smd: 1(-0.475,0) 2(0.475,0)
  body extent -0.55,-0.3 0.55,0.3, height 0.4
RSW0010A_V [mm] "QFN, 10-Leads, Body 1.8x1.4mm, Pitch 0.4mm, TI Recommend"
  rrect50% 0.2x0.7 smd: 1(0.2,0.55)
  rrect50% 0.2x0.6 smd: 2(-0.2,0.6) 6(-0.2,-0.6) 7(0.2,-0.6)
  rrect50% 0.6x0.2 smd: 3(-0.8,0.4) 4(-0.8,0) 5(-0.8,-0.4) 8(0.8,-0.4) 9(0.8,0) 10(0.8,0.4)
  silkscreen extent 0.15,1.25 0.25,1.35, body extent -0.9,-0.7 0.9,0.7, height 0.55
SAMTEC_FTSH-105-01-F-DV-P-TR [mm]
  rect 0.74x2.79 smd: 01(-2.54,-2.035) 02(-2.54,2.035) 03(-1.27,-2.035) 04(-1.27,2.035) 05(0,-2.035) 06(0,2.035) 07(1.27,-2.035) 08(1.27,2.035) 09(2.54,-2.035) 10(2.54,2.035)
  silkscreen extent -3.92,-2.13 3.26,1.72, body extent -3.18,-2.92 3.18,2.92, height 5.56
SODFL160X65-2N_SOD523 [mm] "SODFL, 2-Leads, Body 0.80x1.60mm, IPC Medium Density"
  rect 0.5x0.4 smd: A(0.8,0) C(-0.8,0)
  silkscreen extent -1.3,-0.4 -1.3,0.4, body extent -0.8,-0.43 0.8,0.43, height 0.65
SODFL250X110-2N_SOD323 [mm] "SODFL, 2-Leads, Body 1.25x2.50mm, IPC Medium Density"
  rect 0.85x0.45 smd: A(1.125,0) C(-1.125,0)
  silkscreen extent -1.8,-0.7 0.9,0.7, body extent -1.34,-0.65 1.34,0.65, height 0.94
SODFL370X100-2N_DFLS2100 [mm] "SODFL, 2-Leads, Body 1.78x3.70mm, IPC Medium Density"
  rect 1.05x1.5 smd: A(-1.525,0)
  rect 2.4x1.5 smd: C(0.85,0)
  silkscreen extent -2.1,0.87 -2,0.97, body extent -1.85,-0.96 1.85,0.96, height 1
SON50P100X55-10N_TPD4E02B04 [mm] "SON, 10-Leads, Body 2.50x1.00mm, Pitch 0.50mm, IPC Medium Density"
  rrect25% 0.565x0.2 smd: 1(-0.417,1) 2(-0.417,0.5) 4(-0.417,-0.5) 5(-0.417,-1) 6(0.417,-1) 7(0.417,-0.5) 9(0.417,0.5) 10(0.417,1)
  rrect13% 0.565x0.4 smd: 3(-0.417,0) 8(0.417,0)
  silkscreen extent -1,-1.45 0.55,1.5, body extent -0.55,-1.3 0.55,1.3, height 0.55
SON65P330X90-8N_RQ3E120AT [mm] "SON, 8-Leads, Body 3.30x3.30mm, Pitch 0.65mm, IPC Medium Density"
  rect 0.6x0.43 smd: 1(-1.55,0.975) 2(-1.55,0.325) 3(-1.55,-0.325) 4(-1.55,-0.975) 5(1.55,-0.975) 6(1.55,-0.325) 7(1.55,0.325) 8(1.55,0.975)
  Top Layer region: -0.6,-1.5 1.4,-1.5 1.4,1.5 -0.6,1.5
  silkscreen extent -2.3,-1.85 1.85,1.9, body extent -1.7,-1.7 1.7,1.7, height 0.9
SOT65P210X110-3N_SOT323-3L [mm] "SOT23, 3-Leads, Body 2.00x2.10mm, Pitch 0.65mm, IPC Medium Density"
  rect 0.9x0.5 smd: 1(-1.125,0.65) 2(-1.125,-0.65) 3(1.125,0)
  silkscreen extent -1.25,-1.1 0.67,1.57, body extent -1.3,-1.1 1.3,1.1, height 1.1
SOT65P210X110-5N_NC7SZ38P5X [mm] "SOT23, 5-Leads, Body 2.00x2.10mm, Pitch 0.65mm, IPC Medium Density"
  rect 0.8x0.4 smd: 1(-1.075,0.65) 2(-1.075,0) 3(-1.075,-0.65) 4(1.075,-0.65) 5(1.075,0.65)
  silkscreen extent -1.2,-1.1 0.3,1.52, body extent -1.2,-1.1 1.2,1.1, height 1.1
SOT65P210X110-6N_SN74LVC1T45 [mm] "SOT23, 6-Leads, Body 2.00x2.10mm, Pitch 0.65mm, IPC Medium Density"
  rect 0.85x0.4 smd: 1(-1.125,0.65) 2(-1.125,0) 3(-1.125,-0.65) 4(1.125,-0.65) 5(1.125,0) 6(1.125,0.65)
  silkscreen extent -1.25,-1.1 0.3,1.52, body extent -1.2,-1.07 1.2,1.07, height 1.1
SOT65P212X110-5N_74LVC1G07gw [mm] "SOT23, 5-Leads, Body 2.05x2.13mm, Pitch 0.65mm, IPC Medium Density"
  rect 0.85x0.4 smd: 1(-1.1,0.65) 2(-1.1,0) 3(-1.1,-0.65) 4(1.1,-0.65) 5(1.1,0.65)
  silkscreen extent -1.22,-1.15 0.3,1.52, body extent -1.12,-1.12 1.12,1.12, height 1.1
SOT95P280X145-5N-TLV740P [mm] "SOT23, 5-Leads, Body 2.90x2.80mm, Pitch 0.95mm, IPC Medium Density"
  rect 1x0.6 smd: 1(-1.375,0.95) 2(-1.375,0) 3(-1.375,-0.95) 4(1.375,-0.95) 5(1.375,0.95)
  silkscreen extent -1.5,-1.55 0.5,1.92, body extent -1.5,-1.53 1.5,1.53, height 1.45
SOT95P285X140-5N_AP22811 [mm] "SOT23, 5-Leads, Body 3.00x2.85mm, Pitch 0.95mm, IPC Medium Density"
  rect 1.05x0.6 smd: 1(-1.375,0.95) 2(-1.375,0) 3(-1.375,-0.95) 4(1.375,-0.95) 5(1.375,0.95)
  silkscreen extent -1.5,-1.55 0.45,1.92, body extent -1.5,-1.55 1.5,1.55, height 1.4
SOTFL65P210X105-3N [mm] "SOTFL, 3-Leads, Body 2,00x2,10mm, Pitch 0,65mm, IPC Medium Density"
  rect 1x0.5 smd: 1(-0.85,0.65) 2(-0.85,-0.65) 3(0.85,0)
  silkscreen extent -0.97,-1.05 0.67,1.57, body extent -1.05,-1.05 1.05,1.05, height 1.05